# Altium PCB GPS_TRACKER.PcbDoc (part 1 of 2) (continued)
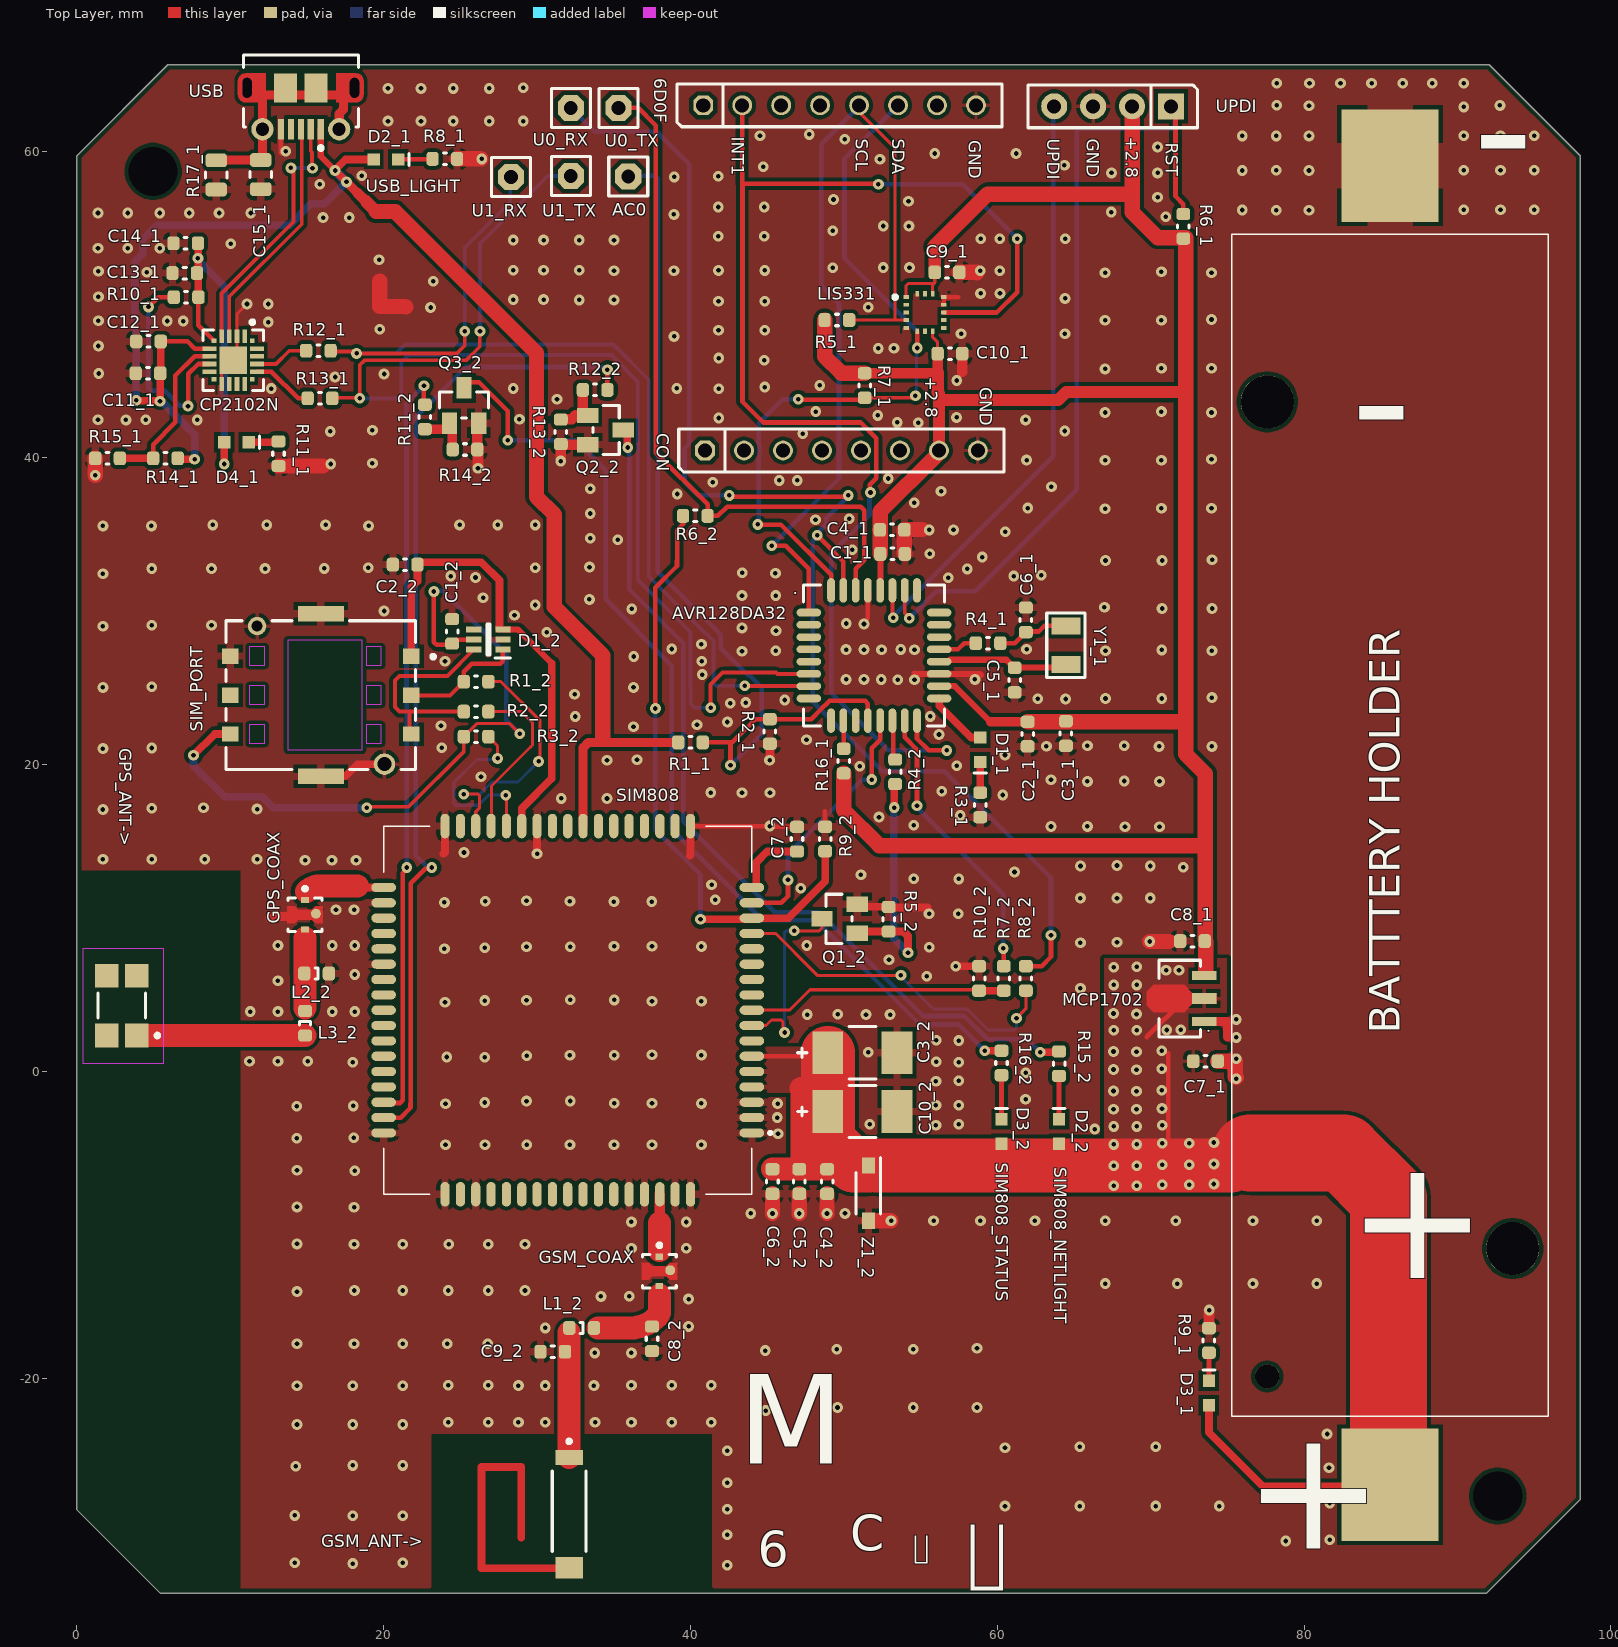
[diagram p0: Top Layer view]
## Part data (continued)
D1_2: "TVS Diode (Uni-directional)", Manufacturer_Name=SEMTECH, Mouser Part Number=947-SMF05C.TCT, Arrow Part Number=SMF05C.TCT, Arrow Price/Stock=https://www.arrow.com/en/products/smf05c.tct/semtech?region=nac, Datasheet Link=https://www.mouser.co.uk/datasheet/2/761/smf05c-1278099.pdf, Height=1.1mm, Manufacturer_Part_Number=SMF05C.TCT, Mouser Price/Stock=https://www.mouser.co.uk/ProductDetail/Semtech/SMF05CTCT?qs=rBWM4%252BvDhIcdGOAFdL4XAA%3D%3D
D2_1: library part DIODE1056, "LED", Forward Current=20mA, Manufacturer 1=Lite-On, Manufacturer Part Number 1=LTST-C193TBKT-5A, Operating Temperature="-20C to +80C", Package=0603, Power=76mW, Reverse Current=10uA, Reverse Voltage=5V, Supplier Part Number 1=160-1827-1-ND, Category=Diode, ComponentLink1Description="SVN Datasheet", ComponentLink1URL=https://chn-vm-apps.microchip.com/mchprepo/parts/Datasheets/LTST-C193TBKT-5A.pdf, ComponentLink2Description="Local Datasheet", ComponentLink2URL=C:\ALTIUM_WORK\00001_MCHP-CDB\Datasheets\LTST-C193TBKT-5A.pdf, ComponentLink3Description="Open Symbol", ComponentLink3URL=C:\ALTIUM_WORK\00001_MCHP-CDB\Library\LibraryRefs\LED_blue.SchLib, ComponentLink4Description="Open Footprint", ComponentLink4URL=C:\ALTIUM_WORK\00001_MCHP-CDB\Library\Footprints\LED_0603_Blue.PcbLib, ComponentLink5Description="Open Footprint 2", ComponentLink6Description="Open Footprint 3", ComponentLink7Description="Open Footprint 4", Description_="DIO LED BLUE 2.8V 20mA 15mcd Clear SMD 0603", Dev Tools Status=Production, MCHP-ID=DIODE1056, Owner="Tad Ahlvers", Populated=YES, Quantity Override=1, Revision=5, Status="MCL Design", Supplier 1=Digi-Key, Symbol=LED_blue, Type="LED Single"
D3_1: library part DIODE1242, "LED TRUE GREEN", Forward Current=5ma, Manufacturer 1=Mouser, Manufacturer Part Number 1=720-LTQ39GQ1S22515, Operating Temperature="-40C to85", Package=0603, Category=Diode, ComponentLink1Description="SVN Datasheet", ComponentLink1URL="https://chn-vm-apps.microchip.com/mchprepo/parts/Datasheets/L(B,T) Q39G.pdf", ComponentLink2Description="Local Datasheet", ComponentLink2URL="C:\ALTIUM_WORK\00001_MCHP-CDB\Datasheets\L(B,T) Q39G.pdf", ComponentLink3Description="Open Symbol", ComponentLink3URL=C:\ALTIUM_WORK\00001_MCHP-CDB\Library\LibraryRefs\LED_green_true.SchLib, ComponentLink4Description="Open Footprint", ComponentLink4URL=C:\ALTIUM_WORK\00001_MCHP-CDB\Library\Footprints\LED_0603_Green.PcbLib, ComponentLink5Description="Open Footprint 2", ComponentLink6Description="Open Footprint 3", ComponentLink7Description="Open Footprint 4", Description_="Standard LEDs - SMD True Green", Dev Tools Status=Design, MCHP-ID=DIODE1242, Owner="Ed Kennedy", Populated=YES, Quantity Override=1, Revision=A, Status="MCL Design", Supplier 1=Mouser, Supplier Part Number 1=720-LTQ39GQ1S22515, Symbol=LED_green_true, Type="LED Single"
GPS_ANT->: library part CMP-04721-000004-1, "RF ANT 1.575GHZ MOLDED SLDR SMD", Manufacturer=Molex, Max Frequency=1607MHz, Power Rating=2W, Temperature="-40°C to +125°C", Temperature Range High=+125°C, Temperature Range Low=-40°C, Automotive=No, Category=Ant, ComponentLink2Description=Datasheet, ComponentLink2URL=https://www.molex.com/pdm_docs/sd/1462350001_sd.pdf, Device Class L1="Integrated Circuits (ICs)", Device Class L2="RF Semiconductors and Devices", Device Class L3="RF Antennas", Digikey Description="RF ANT 1.575GHZ MOLDED SLDR SMD", Gain=1.1dB, Height=4.1mm, Impedance=50Ω, Lead Free=Yes, Manufacturer Part Number=1462350001, Number Of Bands=3, Octopart=https://octopart.com/146235-0001-molex-75198029, Package=1462350001, Return Loss=-8dB, RoHS=TRUE
GPS_COAX GSM_COAX: library part CMP-06171-000005-1, "CONN SWG RCPT STR 50 OHM SMD", Case/Package=SMD/SMT, Frequency=11GHz, Housing Color=Gold, Insulation Resistance=500MR, Max Operating Temperature=85°C, Min Operating Temperature=-40°C, Operating Frequency="0 to 11 GHz", Package Quantity=1, Voltage Rating=250V, Body Material=Copper, Connector Type=Socket, Contact Plating=Gold, Depth=2mm, Fastening Type=Pull, Impedance=50R, Lead Free="Lead Free", Length=2.1mm, Max Frequency=11GHz, Mount="Surface Mount", Orientation=Straight, Packaging="Tape and Reel", Polarity=Standard, RoHS Compliant=No, Series=8030, Termination=Solder
GSM_ANT->: library part CMP-56579-000002-1, "RF ANT CHIP SOLDER SMD", Max Frequency=928MHz, Contact Plating=Tin, Impedance=50R, Mount="Surface Mount", Number of Pins=2, RoHS Compliant=No
L1_2 L2_2: library part IND0008, Manufacturer 1="TOKO America", Manufacturer Part Number 1=LL1608-FSL15NJ, Manufacturer Part Number 2=LL1608-FH15NJ, Operating Temperature="-40C to +100C", Package=0603, Saturation Current=600mA, Supplier Part Number 1=LL1608-FSL15NJ-ND, Test Frequency=100MHz, Category=Inductor, ComponentLink1Description="SVN Datasheet", ComponentLink1URL=https://chn-vm-apps.microchip.com/mchprepo/parts/Datasheets/LL1608-FH.pdf, ComponentLink2Description="Local Datasheet", ComponentLink2URL=C:\ALTIUM_WORK\00001_MCHP-CDB\Datasheets\LL1608-FH.pdf, ComponentLink3Description="Open Symbol", ComponentLink3URL=C:\ALTIUM_WORK\00001_MCHP-CDB\Library\LibraryRefs\Inductor.SchLib, ComponentLink4Description="Open Footprint", ComponentLink4URL=C:\ALTIUM_WORK\00001_MCHP-CDB\Library\Footprints\IND_C_0603.PcbLib, ComponentLink5Description="Open Footprint 2", ComponentLink6Description="Open Footprint 3", ComponentLink7Description="Open Footprint 4", DCR=0.32R, Description_="INDUCTOR 15nH 600mA 5% SMD 0603", Dev Tools Status=Production, Manufacturer 2="TOKO America", MCHP-ID=IND0008, Populated=Yes, Quantity Override=1, Revision=1, Status="MCL Design", Supplier 1=Digi-Key, Supplier 2=Digi-Key, Supplier Part Number 2=TKS3713TR-ND, Symbol=Inductor, Type=Inductor
L3_2: library part IND1285, Manufacturer 1=Murata, Manufacturer Part Number 1=LQM18PN4R7MFRL, Operating Temperature="-40°C to 85°C", Package=0603, RMS Current=620mA, Supplier Part Number 1=490-12065-2-ND, Test Frequency=1MHz, Category=Inductor, ComponentLink1Description="SVN Datasheet", ComponentLink1URL=https://chn-vm-apps.microchip.com/mchprepo/parts/Datasheets/o05e.pdf, ComponentLink2Description="Local Datasheet", ComponentLink2URL=C:\ALTIUM_WORK\00001_MCHP-CDB\Datasheets\o05e.pdf, ComponentLink3Description="Open Symbol", ComponentLink3URL=C:\ALTIUM_WORK\00001_MCHP-CDB\Library\LibraryRefs\Inductor.SchLib, ComponentLink4Description="Open Footprint", ComponentLink4URL=C:\ALTIUM_WORK\00001_MCHP-CDB\Library\Footprints\IND_C_0603.PcbLib, ComponentLink5Description="Open Footprint 2", ComponentLink6Description="Open Footprint 3", ComponentLink7Description="Open Footprint 4", DCR=0.55R, Description_="INDUCTOR 4.7uH 620mA 20% SMD 0603", Dev Tools Status=Production, MCHP-ID=IND1285, Owner="Gabor Bihari", Populated=YES, Quantity Override=1, Revision=2, Status="MCL Design", Supplier 1=Digi-Key, Supplier 2=Digi-Key, Supplier Part Number 2=490-12065-1-ND, Symbol=Inductor, Type=Inductor
LIS331: library part CMP-0234-00069-3, "MEMS motion sensor: Ultra low power high performance 3-axis nano accelerometer, -40 to +85°C, LGA-16 (3x3x1), Tape and Reel", Manufacturer=STMicroelectronics, ComponentLink1Description="Manufacturer URL", ComponentLink1URL=http://www.st.com/, ComponentLink2Description="LIS331DLH Datasheet", ComponentLink2URL=http://www.st.com/internet/com/TECHNICAL_RESOURCES/TECHNICAL_LITERATURE/DATASHEET/CD00213470.pdf, ComponentLink3Description="LIS331DLH Web Page", ComponentLink3URL=http://www.st.com/internet/analog/product/218132.jsp, DatasheetVersion="rev3, Jul-2009", PackageDescription="16-Pin Land Grid Array, 3 x 3 x 1 mm Body, 0.5 mm Pitch", PackageReference=LGA16-3X3X1, PackageVersion=2008, RevisionNote="PCB layout corrected."
MCP1702: library part MIC2541, "LDO", Manufacturer 1=Microchip, Manufacturer Part Number 1=MCP1702T-2802E/MB, Operating Temperature="-40C to +125C", Category=MCHP-Analog, ComponentLink1Description="SVN Datasheet", ComponentLink1URL=https://www.microchip.com/sitesearch/search/Product%20and%20Development%20Tools/MCP1702T-2802E/MB, ComponentLink2Description="Local Datasheet", ComponentLink3Description="Open Symbol", ComponentLink3URL="C:\ALTIUM_WORK\00001_MCHP-CDB\Library\LibraryRefs\MCP170X SOT-89-3_TO-92-3.SchLib", ComponentLink4Description="Open Footprint", ComponentLink4URL=C:\ALTIUM_WORK\00001_MCHP-CDB\Library\Footprints\SOT-89-3.PcbLib, ComponentLink5Description="Open Footprint 2", ComponentLink6Description="Open Footprint 3", ComponentLink7Description="Open Footprint 4", Description_="MCHP ANALOG LDO 2.8V MCP1702T-2802E/MB SOT-89-3", Dev Tools Status=Production, MCHP-ID=MIC2541, Populated=Yes, Quantity Override=1, Revision=0, Status="MCL Design", Supplier 1=Microchip, Supplier Part Number 1=MCP1702T-2802E/MB, Symbol="MCP170X SOT-89-3_TO-92-3", Type=LDO
Q1_2 Q2_2 Q3_2: library part TRA1102, "Transistor MOS", Current=170mA, Drain to Source Voltage=60V, Gate to Source Voltage=20V, Manufacturer 1="Diodes Inc", Manufacturer Part Number 1=2N7002-7-F, Operating Temperature="-55C to +150C", Package=SOT-23-3, Power=370mW, Supplier Part Number 1=2N7002-FDICT-ND, Category=Transistor, ComponentLink1Description="SVN Datasheet", ComponentLink1URL=https://chn-vm-apps.microchip.com/mchprepo/parts/Datasheets/ds11303.pdf, ComponentLink2Description="Local Datasheet", ComponentLink2URL=C:\ALTIUM_WORK\00001_MCHP-CDB\Datasheets\ds11303.pdf, ComponentLink3Description="Open Symbol", ComponentLink3URL="C:\ALTIUM_WORK\00001_MCHP-CDB\Library\LibraryRefs\Transistor MOS-N GSD.SchLib", ComponentLink4Description="Open Footprint", ComponentLink4URL=C:\ALTIUM_WORK\00001_MCHP-CDB\Library\Footprints\SOT-23-3.PcbLib, ComponentLink5Description="Open Footprint 2", ComponentLink6Description="Open Footprint 3", ComponentLink7Description="Open Footprint 4", Description_="TRANS FET N-CH 2N7002-7-F 60V 170mA 370mW SOT-23-3", Dev Tools Status=Production, MCHP-ID=TRA1102, Owner="Adrian M (M91404)", Populated=YES, Quantity Override=1, Revision=0, Status="MCL Design", Supplier 1=Digi-Key, Symbol="Transistor MOS-N GSD", Type=FET
R1_1: library part RES1144, Manufacturer 1=Panasonic, Manufacturer Part Number 1=ERJ-3EKF2203V, Operating Temperature="-55C to +155C", Package=0603, Power=1/10W, Supplier Part Number 1=P220KHCT-ND, Temperature Coefficient=100ppm/C, Tolerance=1%, Voltage=75V, Category=Resistor, ComponentLink1Description="SVN Datasheet", ComponentLink1URL=https://chn-vm-apps.microchip.com/mchprepo/parts/Datasheets/AOA0000CE2.pdf, ComponentLink2Description="Local Datasheet", ComponentLink2URL=C:\ALTIUM_WORK\00001_MCHP-CDB\Datasheets\AOA0000CE2.pdf, ComponentLink3Description="Open Symbol", ComponentLink3URL=C:\ALTIUM_WORK\00001_MCHP-CDB\Library\LibraryRefs\Resistor.SchLib, ComponentLink4Description="Open Footprint", ComponentLink4URL=C:\ALTIUM_WORK\00001_MCHP-CDB\Library\Footprints\RES_C_0603.PcbLib, ComponentLink5Description="Open Footprint 2", ComponentLink6Description="Open Footprint 3", ComponentLink7Description="Open Footprint 4", Composition=TKF, Description_="RES TKF 220k 1% 1/10W SMD 0603", Dev Tools Status=Production, MCHP-ID=RES1144, Owner="Adrian M (M91404)", Populated=Yes, Quantity Override=1, Revision=0, Status="MCL Design", Supplier 1=Digi-Key, Symbol=Resistor, Type="RES SMD"
R1_2 R2_2 R3_2: library part RES1560, Manufacturer 1="Panasonic Electronic Components", Manufacturer Part Number 1=ERJ-3EKF22R0V, Operating Temperature="-55C to +155C", Power=1/10W, Supplier Part Number 1=P22.0HCT-ND, Temperature Coefficient=100ppm/C, Voltage=75V, Category=Resistor, ComponentLink1Description="SVN Datasheet", ComponentLink1URL=https://chn-vm-apps.microchip.com/mchprepo/parts/Datasheets/AOA0000CE2.pdf, ComponentLink2Description="Local Datasheet", ComponentLink2URL=C:\ALTIUM_WORK\00001_MCHP-CDB\Datasheets\AOA0000CE2.pdf, ComponentLink3Description="Open Symbol", ComponentLink3URL=C:\ALTIUM_WORK\00001_MCHP-CDB\Library\LibraryRefs\Resistor.SchLib, ComponentLink4Description="Open Footprint", ComponentLink4URL=C:\ALTIUM_WORK\00001_MCHP-CDB\Library\Footprints\RES_C_0603.PcbLib, ComponentLink5Description="Open Footprint 2", ComponentLink6Description="Open Footprint 3", ComponentLink7Description="Open Footprint 4", Composition=TKF, Description_="RES TKF 22R 1% 1/10W SMD 0603", Dev Tools Status=Production, MCHP-ID=RES1560, Populated=YES, Quantity Override=1, Revision=1, Status="MCL Design", Supplier 1=Digi-Key, Symbol=Resistor, Type="RES SMD"
R2_1: library part RES1184, Manufacturer 1=Panasonic, Manufacturer Part Number 1=ERJ-3GEYJ474V, Operating Temperature="-55C to +155C", Package=0603, Power=1/10W, Supplier Part Number 1=P470KGCT-ND, Temperature Coefficient=200ppm/C, Tolerance=5%, Voltage=75V, Category=Resistor, ComponentLink1Description="SVN Datasheet", ComponentLink1URL=https://chn-vm-apps.microchip.com/mchprepo/parts/Datasheets/AOA0000CE1.pdf, ComponentLink2Description="Local Datasheet", ComponentLink2URL=C:\ALTIUM_WORK\00001_MCHP-CDB\Datasheets\AOA0000CE1.pdf, ComponentLink3Description="Open Symbol", ComponentLink3URL=C:\ALTIUM_WORK\00001_MCHP-CDB\Library\LibraryRefs\Resistor.SchLib, ComponentLink4Description="Open Footprint", ComponentLink4URL=C:\ALTIUM_WORK\00001_MCHP-CDB\Library\Footprints\RES_C_0603.PcbLib, ComponentLink5Description="Open Footprint 2", ComponentLink6Description="Open Footprint 3", ComponentLink7Description="Open Footprint 4", Composition=TKF, Description_="RES TKF 470k 5% 1/10W SMD 0603", Dev Tools Status=Production, MCHP-ID=RES1184, Owner="Adrian T (M91397)", Populated=Yes, Quantity Override=1, Revision=0, Status="MCL Design", Supplier 1=Digi-Key, Symbol=Resistor, Type="RES SMD"
R3_1 R8_1 R9_1 R11_1 R12_1 R13_1 R15_2 R16_2: library part RES0194, Manufacturer 1=ROHM, Manufacturer Part Number 1=MCR03EZPJ221, Operating Temperature="-55C to +155C", Package=0603, Power=1/10W, Supplier Part Number 1=RHM220GCT-ND, Temperature Coefficient=100ppm/C, Tolerance=5%, Voltage=50V, Category=Resistor, ComponentLink1Description="SVN Datasheet", ComponentLink1URL=https://chn-vm-apps.microchip.com/mchprepo/parts/Datasheets/mcr_a.pdf, ComponentLink2Description="Local Datasheet", ComponentLink2URL=C:\ALTIUM_WORK\00001_MCHP-CDB\Datasheets\mcr_a.pdf, ComponentLink3Description="Open Symbol", ComponentLink3URL=C:\ALTIUM_WORK\00001_MCHP-CDB\Library\LibraryRefs\Resistor.SchLib, ComponentLink4Description="Open Footprint", ComponentLink4URL=C:\ALTIUM_WORK\00001_MCHP-CDB\Library\Footprints\RES_C_0603.PcbLib, ComponentLink5Description="Open Footprint 2", ComponentLink6Description="Open Footprint 3", ComponentLink7Description="Open Footprint 4", Composition=TKF, Description_="RES TKF 220R 5% 1/10W SMD 0603", Dev Tools Status=Production, MCHP-ID=RES0194, Populated=Yes, Quantity Override=1, Revision=1, Status="MCL Design", Supplier 1=Digi-Key, Symbol=Resistor, Type="RES SMD"
R4_1 R6_2 R7_2 R8_2 R16_1: library part RES2360, Manufacturer 1="Panasonic Electronic Components", Manufacturer 2=Vishay, Manufacturer Part Number 1=ERJ-3GEY0R00V, Manufacturer Part Number 2=CRCW06030000Z0EB, Package=0603, Power=1/10W, Supplier Part Number 1=P0.0GCT-ND, Category=Resistor, Circuit Type=Isolated, ComponentLink1Description="SVN Datasheet", ComponentLink1URL=https://chn-vm-apps.microchip.com/mchprepo/parts/Datasheets/ERJ-3GEY0R00V.pdf, ComponentLink2Description="Local Datasheet", ComponentLink2URL=C:\ALTIUM_WORK\00001_MCHP-CDB\Datasheets\ERJ-3GEY0R00V.pdf, ComponentLink3Description="Open Symbol", ComponentLink3URL=C:\ALTIUM_WORK\00001_MCHP-CDB\Library\LibraryRefs\Resistor.SchLib, ComponentLink4Description="Open Footprint", ComponentLink4URL=C:\ALTIUM_WORK\00001_MCHP-CDB\Library\Footprints\RES_C_0603.PcbLib, ComponentLink5Description="Open Footprint 2", ComponentLink6Description="Open Footprint 3", ComponentLink7Description="Open Footprint 4", Composition=TKF, Description_="RES TKF 0R 1/10W SMD 0603 AEC-Q200", Dev Tools Status=Production, MCHP-ID=RES2360, Owner="Steve Dziaba", Quantity Override=1, Revision=1, Status="MCL Design", Supplier 1=Digi-Key, Supplier 2=Digi-Key, Supplier Part Number 2=541-2968-1-ND, Symbol=Resistor, Type="RES SMD"
  R4_1 R6_2 R7_2 R8_2: Populated=YES
  R16_1: Populated=DNP
R4_2 R5_1 R6_1 R7_1 R11_2 R12_2: library part RES1178, Manufacturer 1=Panasonic, Manufacturer Part Number 1=ERJ-3GEYJ472V, Operating Temperature="-55C to +155C", Package=0603, Power=1/10W, Supplier Part Number 1=P4.7KGCT-ND, Temperature Coefficient=200ppm/C, Voltage=75V, Category=Resistor, ComponentLink1Description="SVN Datasheet", ComponentLink1URL=https://chn-vm-apps.microchip.com/mchprepo/parts/Datasheets/AOA0000CE1.pdf, ComponentLink2Description="Local Datasheet", ComponentLink2URL=C:\ALTIUM_WORK\00001_MCHP-CDB\Datasheets\AOA0000CE1.pdf, ComponentLink3Description="Open Symbol", ComponentLink3URL=C:\ALTIUM_WORK\00001_MCHP-CDB\Library\LibraryRefs\Resistor.SchLib, ComponentLink4Description="Open Footprint", ComponentLink4URL=C:\ALTIUM_WORK\00001_MCHP-CDB\Library\Footprints\RES_C_0603.PcbLib, ComponentLink5Description="Open Footprint 2", ComponentLink6Description="Open Footprint 3", ComponentLink7Description="Open Footprint 4", Composition=TKF, Description_="RES TKF 4.7k 5% 1/10W SMD 0603", Dev Tools Status=Production, MCHP-ID=RES1178, Owner="Bogdan P (M91398)", Quantity Override=1, Revision=0, Status="MCL Design", Supplier 1=Digi-Key, Symbol=Resistor, Type="RES SMD"
  R4_2 R5_1 R7_1 R11_2 R12_2: Populated=Yes
  R6_1: Populated=DNP
R5_2 R13_2 R14_2: library part RES1183, Manufacturer 1=Panasonic, Manufacturer Part Number 1=ERJ-3EKF4702V, Operating Temperature="-55C to +155C", Package=0603, Power=1/10W, Supplier Part Number 1=P47.0KHCT-ND, Temperature Coefficient=100ppm/C, Voltage=75V, Category=Resistor, ComponentLink1Description="SVN Datasheet", ComponentLink1URL=https://chn-vm-apps.microchip.com/mchprepo/parts/Datasheets/AOA0000CE2.pdf, ComponentLink2Description="Local Datasheet", ComponentLink2URL=C:\ALTIUM_WORK\00001_MCHP-CDB\Datasheets\AOA0000CE2.pdf, ComponentLink3Description="Open Symbol", ComponentLink3URL=C:\ALTIUM_WORK\00001_MCHP-CDB\Library\LibraryRefs\Resistor.SchLib, ComponentLink4Description="Open Footprint", ComponentLink4URL=C:\ALTIUM_WORK\00001_MCHP-CDB\Library\Footprints\RES_C_0603.PcbLib, ComponentLink5Description="Open Footprint 2", ComponentLink6Description="Open Footprint 3", ComponentLink7Description="Open Footprint 4", Composition=TKF, Description_="RES TKF 47k 1% 1/10W SMD 0603", Dev Tools Status=Production, MCHP-ID=RES1183, Owner="Adrian M (M91404)", Populated=YES, Quantity Override=1, Revision=0, Status="MCL Design", Supplier 1=Digi-Key, Symbol=Resistor, Type="RES SMD"
R9_2 R10_2: library part RSMT0752, Manufacturer 1=Yageo, Manufacturer Part Number 1=RC0603FR-075K6L, Operating Temperature="-55C to +155C", Package=0603, Power=1/10W, Supplier Part Number 1=311-5.60KHRCT-ND, Temperature Coefficient=100ppm/C, Voltage=50V, Category=Resistor, ComponentLink1Description="SVN Datasheet", ComponentLink1URL=https://chn-vm-apps.microchip.com/mchprepo/parts/Datasheets/PYu-RC0603_51_RoHS_L_4.pdf, ComponentLink2Description="Local Datasheet", ComponentLink2URL=C:\ALTIUM_WORK\00001_MCHP-CDB\Datasheets\PYu-RC0603_51_RoHS_L_4.pdf, ComponentLink3Description="Open Symbol", ComponentLink3URL=C:\ALTIUM_WORK\00001_MCHP-CDB\Library\LibraryRefs\Resistor.SchLib, ComponentLink4Description="Open Footprint", ComponentLink4URL=C:\ALTIUM_WORK\00001_MCHP-CDB\Library\Footprints\RES_C_0603.PcbLib, ComponentLink5Description="Open Footprint 2", ComponentLink6Description="Open Footprint 3", ComponentLink7Description="Open Footprint 4", Composition=TKF, Description_="RES TKF 5.6k 1% 1/10W SMD 0603", Dev Tools Status=Production, MCHP-ID=RSMT0752, Populated=DNP, Quantity Override=1, Revision=1, Status="MCL Design", Supplier 1=Digi-Key, Symbol=Resistor, Type="RES SMD"
R10_1: library part RES1015, Manufacturer 1="Panasonic - ECG", Manufacturer 2="TE Connectivity", Manufacturer Part Number 1=ERA-3AEB102V, Manufacturer Part Number 2=1614882-3, Operating Temperature="-55C to +155C", Package=0603, Power=1/10W, Supplier Part Number 1=P1.0KDBTR-ND, Temperature Coefficient=25ppm/C, Voltage=75V, Category=Resistor, ComponentLink1Description="SVN Datasheet", ComponentLink1URL=https://chn-vm-apps.microchip.com/mchprepo/parts/Datasheets/AOA0000CE26.pdf, ComponentLink2Description="Local Datasheet", ComponentLink2URL=C:\ALTIUM_WORK\00001_MCHP-CDB\Datasheets\AOA0000CE26.pdf, ComponentLink3Description="Open Symbol", ComponentLink3URL=C:\ALTIUM_WORK\00001_MCHP-CDB\Library\LibraryRefs\Resistor.SchLib, ComponentLink4Description="Open Footprint", ComponentLink4URL=C:\ALTIUM_WORK\00001_MCHP-CDB\Library\Footprints\RES_C_0603.PcbLib, ComponentLink5Description="Open Footprint 2", ComponentLink6Description="Open Footprint 3", ComponentLink7Description="Open Footprint 4", Composition=TF, Description_="RES TF 1k 0.1% 1/10W SMD 0603", Dev Tools Status=Production, MCHP-ID=RES1015, Owner="Tad Ahlvers", Populated=YES, Quantity Override=1, Revision=1, Status="MCL Design", Supplier 1=Digi-Key, Supplier 2=Digi-Key, Supplier Part Number 2=A102332TR-ND, Symbol=Resistor, Type="RES SMD"
R14_1: library part RES2774, Manufacturer 1="Panasonic Electronic Components", Manufacturer Part Number 1=ERA-3AEB2212V, Operating Temperature="-55C to +155C", Package=0603, Power=1/10W, Supplier Part Number 1=P22.1KDBCT-ND, Temperature Coefficient=25ppm/C, Voltage=75V, Category=Resistor, ComponentLink1Description="SVN Datasheet", ComponentLink1URL=https://chn-vm-apps.microchip.com/mchprepo/parts/Datasheets/AOA0000C307.pdf, ComponentLink2Description="Local Datasheet", ComponentLink2URL=C:\ALTIUM_WORK\00001_MCHP-CDB\Datasheets\AOA0000C307.pdf, ComponentLink3Description="Open Symbol", ComponentLink3URL=C:\ALTIUM_WORK\00001_MCHP-CDB\Library\LibraryRefs\Resistor.SchLib, ComponentLink4Description="Open Footprint", ComponentLink4URL=C:\ALTIUM_WORK\00001_MCHP-CDB\Library\Footprints\RES_C_0603.PcbLib, ComponentLink5Description="Open Footprint 2", ComponentLink6Description="Open Footprint 3", ComponentLink7Description="Open Footprint 4", Composition=TF, Description_="RES TF 22.1k 0.1% 1/10W SMD 0603 AEC-Q200", Dev Tools Status=Design, MCHP-ID=RES2774, Owner="Kamatchi Sundaresan", Populated=YES, Quantity Override=1, Revision=A, Status="MCL Design", Supplier 1=Digi-Key, Symbol=Resistor, Type="RES SMD"
R15_1: library part RES1543, Manufacturer 1=Vishay, Manufacturer Part Number 1=CRCW060347K5FKEA, Operating Temperature="-55°C ~ 155°C", Package=0603, Power=1/10W, Supplier Part Number 1=541-47.5KHCT-ND, Temperature Coefficient=±100ppm/°C, Category=Resistor, ComponentLink1Description="SVN Datasheet", ComponentLink1URL=https://chn-vm-apps.microchip.com/mchprepo/parts/Datasheets/dcrcwe3.pdf, ComponentLink2Description="Local Datasheet", ComponentLink2URL=C:\ALTIUM_WORK\00001_MCHP-CDB\Datasheets\dcrcwe3.pdf, ComponentLink3Description="Open Symbol", ComponentLink3URL=C:\ALTIUM_WORK\00001_MCHP-CDB\Library\LibraryRefs\Resistor.SchLib, ComponentLink4Description="Open Footprint", ComponentLink4URL=C:\ALTIUM_WORK\00001_MCHP-CDB\Library\Footprints\RES_C_0603.PcbLib, ComponentLink5Description="Open Footprint 2", ComponentLink6Description="Open Footprint 3", ComponentLink7Description="Open Footprint 4", Composition=TKF, Description_="RES TKF 47.5k 1% 1/10W SMD 0603", Dev Tools Status=Production, MCHP-ID=RES1543, Owner="Sam Charles", Populated=YES, Quantity Override=1, Revision=2, Status="MCL Design", Supplier 1=Digi-Key, Symbol=Resistor, Type="RES SMD"
R17_1: library part RSMT0786, Manufacturer 1=Bourns, Manufacturer Part Number 1=CRT0805-BY-1004ELF, Operating Temperature="-55C to +155C", Package=0805, Power=1/8W, Supplier Part Number 1=CRT0805-BY-1004ELFCT-ND, Temperature Coefficient=25ppm/C, Voltage=100V, Category=Resistor, ComponentLink1Description="SVN Datasheet", ComponentLink1URL=https://chn-vm-apps.microchip.com/mchprepo/parts/Datasheets/crt.pdf, ComponentLink2Description="Local Datasheet", ComponentLink2URL=C:\ALTIUM_WORK\00001_MCHP-CDB\Datasheets\crt.pdf, ComponentLink3Description="Open Symbol", ComponentLink3URL=C:\ALTIUM_WORK\00001_MCHP-CDB\Library\LibraryRefs\Resistor.SchLib, ComponentLink4Description="Open Footprint", ComponentLink4URL=C:\ALTIUM_WORK\00001_MCHP-CDB\Library\Footprints\RES_C_0805.PcbLib, ComponentLink5Description="Open Footprint 2", ComponentLink6Description="Open Footprint 3", ComponentLink7Description="Open Footprint 4", Composition=TF, Description_="RES TF 1M 0.1% 1/8W SMD 0805", Dev Tools Status=Production, MCHP-ID=RSMT0786, Populated=DNP, Quantity Override=1, Revision=1, Status="MCL Design", Supplier 1=Digi-Key, Symbol=Resistor, Type="RES SMD"
SIM808: "Integrated Circuit", Manufacturer_Name=SIMCOM, Datasheet Link=https://cdn-shop.adafruit.com/datasheets/SIM808_Hardware+Design_V1.00.pdf, Height=2.8mm, Manufacturer_Part_Number=GSM808
SIM_PORT: library part CMP-245159-000001-1, "NANO SIM PUSH PULL, 6P, SMT, 1.3", Current Rating=0.5A, Manufacturer=GCT, Temperature="-40°C to +85°C", Temperature Range High=+85°C, Temperature Range Low=-40°C, Voltage Rating=30V, Automotive=No, Category=Conn, ComponentLink2Description=Datasheet, ComponentLink2URL=https://gct.co/files/drawings/sim8051.pdf, Conn Orientation="Right Angle", Contact Material=Gold,Nickel, Device Class L1=Connectors, Device Class L2="Memory Connectors", Device Class L3=unset, Digikey Description="NANO SIM PUSH PULL, 6P, SMT, 1.3", Height=1.5mm, Is Female=yes, Lead Free=Yes, Manufacturer Part Number=SIM8051-6-0-14-01-A, Number of Contacts=6, Octopart=https://octopart.com/sim8051-6-0-14-01-a-gct-99340323, Package=SIM8051-6-0-14-01-A, Pitch=2.54mm, RoHS=TRUE
UPDI: library part CON0066, Manufacturer 1=Samtec, Manufacturer Part Number 1=SSW-104-01-G-S, Supplier Part Number 1=SAM1209-04-ND, Category=Connector, ComponentLink1Description="SVN Datasheet", ComponentLink1URL=https://chn-vm-apps.microchip.com/mchprepo/parts/Datasheets/ssw-1xx-xx-xxx-x-xx-xxx-xx-mkt.pdf, ComponentLink2Description="Local Datasheet", ComponentLink2URL=C:\ALTIUM_WORK\00001_MCHP-CDB\Datasheets\ssw-1xx-xx-xxx-x-xx-xxx-xx-mkt.pdf, ComponentLink3Description="Open Symbol", ComponentLink3URL="C:\ALTIUM_WORK\00001_MCHP-CDB\Library\LibraryRefs\Header 1x4.SchLib", ComponentLink4Description="Open Footprint", ComponentLink4URL=C:\ALTIUM_WORK\00001_MCHP-CDB\Library\Footprints\HDR_F_2.54_1x4_U_TH_V_SAM_SSW-104-01-G-S.PcbLib, ComponentLink5Description="Open Footprint 2", ComponentLink6Description="Open Footprint 3", ComponentLink7Description="Open Footprint 4", Description_="CON HDR-2.54 Female 1x4 Gold TH VERT", Dev Tools Status=Production, MCHP-ID=CON0066, Owner="Randolph Sobrepena", Populated=YES, Quantity Override=1, Revision=1, Status="MCL Design", Supplier 1=Digi-Key, Symbol="Header 1x4", Type="Header 2.54mm"
USB: library part CMP-2000-05827-1, "Micro-USB B Receptacle, Right Angle, Bottom Mount, Surface Mount, with Solder Tabs, -30 to 85 degC, 5-Pin USB, RoHS, Tape and Reel", Manufacturer=Molex, Package Description="5-Leads USB, Micro B, Body 7.5 x 5 mm, Pitch 0.65 mm", Package Reference=MICRO-B, Package Version="Rev. F, 12/2012", Standard Package=1, Voltage - Max=30V, 3D Model=105017-0001.stp, Catalog Drawings=1050170001, Category=Connectors,Interconnects, Circuits=5, Connector Type=USB-microB, Datasheet URL=http://www.molex.com/elqNow/elqRedir.htm?ref=http://www.molex.com/webdocs/datasheets/pdf/en-us/1050170001_IO_CONNECTORS.pdf, Datasheet Version=03/2016, Family=USB,DVI,HDMIConnectors, Featured Product=Micro-USBConnectorsUSBConnectors, Features=Shielded,SolderRetention, Gender=Receptacle, Ingress Protection=-, Manufacturer URL=http://www.molex.com/, Mating Products=WM17145-ND-CABLEMICROUSBBTOSTDA1.0MWM17147-ND-CABLEMICROUSBBTOSTDA2.0MWM17146-ND-CABLEMICROUSBBTOSTDA1.5M, Mounting Technology=SurfaceMount, Mounting Type=BoardCutout,SurfaceMount,RightAngle, Number of Contacts=5, Online Catalog=Molex-MicroUSB, Other Names=WM1399DKR, Package URL=http://www.molex.com/pdm_docs/sd/1050170001_sd.pdf, Packaging=Digi-Reel®, PCN Assembly/Origin=ResinSupplier21/Oct/2015, RoHS Information=1050170001CertofCompliance, Series=-, Specifications=-
Y1_1: library part OSC1250, "Crystal", Load Capacitance=9pF, Manufacturer 1="Microchip Technology", Manufacturer Part Number 1=VMK3-9001-32K7680000, Manufacturer Part Number 2=VMK3-9001-32K7680000TR, Operating Temperature="-40C to +85C", Package=2-Pin, Tolerance=20ppm, Category=Crystal/Oscillator, ComponentLink1Description="SVN Datasheet", ComponentLink1URL=https://chn-vm-apps.microchip.com/mchprepo/parts/Datasheets/VMK3-9001-32K7680000-110919.pdf, ComponentLink2Description="Local Datasheet", ComponentLink2URL=C:\ALTIUM_WORK\00001_MCHP-CDB\Datasheets\VMK3-9001-32K7680000-110919.pdf, ComponentLink3Description="Open Symbol", ComponentLink3URL="C:\ALTIUM_WORK\00001_MCHP-CDB\Library\LibraryRefs\Crystal 2 Pins.SchLib", ComponentLink4Description="Open Footprint", ComponentLink4URL=C:\ALTIUM_WORK\00001_MCHP-CDB\Library\Footprints\CRYSTAL_FX135A_L3.2W1.5H0.9.PcbLib, ComponentLink5Description="Open Footprint 2", ComponentLink6Description="Open Footprint 3", ComponentLink7Description="Open Footprint 4", Description_="MCHP CRYSTAL 32.768kHz 9pF VMK3-9001-32K7680000 SMD L3.2W1.5XH0.9", Dev Tools Status=Production, Manufacturer 2="Microchip Technology", MCHP-ID=OSC1250, Owner="Jesus Aviles", Populated=YES, Quantity Override=1, Revision=2, Status="MCL Design", Supplier 1="Microchip Technology", Supplier 2="Microchip Technology", Supplier Part Number 1=VMK3-9001-32K7680000, Supplier Part Number 2=VMK3-9001-32K7680000TR, Symbol="Crystal 2 Pins", Type=Crystal
Z1_2: "Zener Diode", Manufacturer_Name="Micro Commercial Components (MCC)", Mouser Part Number=833-BZT52C5V1-TP, Arrow Part Number=BZT52C5V1-TP, Arrow Price/Stock=https://www.arrow.com/en/products/bzt52c5v1-tp/micro-commercial-components?region=nac, Datasheet Link=https://componentsearchengine.com/Datasheets/2/BZT52C5V1-TP.pdf, Height=1.35mm, Manufacturer_Part_Number=BZT52C5V1-TP, Mouser Price/Stock=https://www.mouser.co.uk/ProductDetail/Micro-Commercial-Components-MCC/BZT52C5V1-TP?qs=ZNK0BnemlqGS%2FcMHrWMpww%3D%3D

## Free pads (board coordinates)
  round 0 hole 3.2 unplated mask+0.2: 0(4.974,58.685) 0(92.625,-27.675)

## Via types
v1: diameter 0.7, hole 0.3, Top Layer to Bottom Layer, tented both sides, 662 vias

## Nets (pads, with @x,y where several pads share a name; then routed paths per layer and width w, separated by ;. In a path a pad name is that pad's centre, name@x,y a point inside that pad or via, vN(x,y) a via of type N, cw(c..) or ccw(c..) an arc to the next point about the centre after c; other vN are vias at no path point)
+2.8: AVR128DA32.18 AVR128DA32.28 C1_1.2 C2_1.2 C3_1.2 C4_1.2 C8_1.2 C9_1.2 C10_1.2 CON.7 LIS331.1 LIS331.8 LIS331.14 MCP1702.3 R5_1.2 R6_1.2 R7_1.2 R16_1.1 UPDI.2 | length 168.5
  Top Layer w0.2: LIS331.1@54.062,50.481 54.062,51.245 54.18,51.362 55.787,51.362 ; LIS331.8@55.787,48.256 55.787,47.86 56.116,47.531 C10_1.2@56.116,46.794 ; LIS331.14@55.787,50.706 55.787,51.291 55.859,51.362 ; 55.857,51.36 55.922,51.426 C9_1.2@55.922,52.1
  Top Layer w0.4: AVR128DA32.28@52.364,31.372 52.375,31.383 C1_1.2@52.375,33.746 ; AVR128DA32.18@56.214,25.122 57.23,25.122 59.552,22.799
  Top Layer w0.6: 59.552,22.799 C2_1.2@61.975,22.799
  Top Layer w0.7: R7_1.2@51.358,45.525 56.072,45.525 56.116,45.569 C10_1.2@56.116,46.794
  Top Layer w0.8: C9_1.2@55.922,52.1 55.922,53.747 ; 56.116,45.569 56.116,44.281 56.194,44.203 56.194,43.783 ; CON.7@56.194,40.485 56.194,43.783 ; 72.275,44.301 64.493,44.301 63.976,43.783 56.194,43.783
  Top Layer w1: R5_1.2@48.742,48.99 48.742,46.614 49.831,45.525 R7_1.2@51.358,45.525 ; R16_1.1@49.986,19.443 49.986,17.058 52.315,14.729 73.564,14.729 ; C4_1.2@52.342,35.315 52.375,35.281 C1_1.2@52.375,33.746 ; C4_1.2@52.368,35.342 52.368,36.492 56.046,40.17 56.046,40.257 56.194,40.405 CON.7@56.194,40.485 ; 55.922,53.747 59.376,57.2 68.789,57.2 ; C2_1.2@61.975,22.799 72.251,22.799 72.275,22.775 ; UPDI.2@68.789,62.922 68.789,57.2 ; C8_1.2@73.564,8.55 73.564,14.729 ; MCP1702.3@73.589,6.457 C8_1.2@73.589,8.477 ; 68.789,57.2 68.789,56.024 70.449,54.364 72.275,54.364 72.275,44.301 72.275,22.775 ; 72.275,22.775 72.275,20.701 73.564,19.412 73.564,14.729
+3.3: C13_1.2 C14_1.2 CP2102N.6 D4_1.1 R10_1.2 | length 21.9
  Top Layer w0.3: R10_1.2@7.921,50.479 7.921,48.644 CP2102N.6@8.938,47.626
  Top Layer w0.5: C14_1.2@7.892,53.722 7.921,53.693 7.921,52.875 7.921,52.051 R10_1.2@7.921,50.479 ; v1@9.611,39.603 v1(9.61,39.604) 9.613,39.607 D4_1.1@9.613,41.018
  Bottom Layer w0.5: v1@7.921,52.875 9.61,51.186 v1(9.61,39.604)
  other v1: 7.892,53.013
+5: C11_1.2 C12_1.2 CP2102N.7 D2_1.1 R1_1.2 R14_1.2 SIM808.25 USB.1 | length 104.1
  Top Layer w0.3: C12_1.2@5.468,47.594 7.214,47.594 7.681,47.126 CP2102N.7@8.638,47.126
  Top Layer w0.4: USB.1@15.9,61.425 15.9,59.666 16.812,58.754 v1(16.832,58.734)
  Top Layer w0.5: v1(3.868,43.765) 3.899,43.734 5.387,43.734 v1(5.418,43.704) ; v1@5.435,43.721 C11_1.2@5.435,45.52 5.468,45.554 C12_1.2@5.468,47.594 ; R14_1.2@6.574,39.978 6.643,39.909 v1(7.676,39.909) ; v1@16.812,58.754 17.516,59.459 D2_1.1@19.35,59.459 ; v1(16.832,58.734) v1(17.575,57.991) v1@17.698,57.868
  Top Layer w0.6: v1@17.698,57.868 18.315,57.251 ; SIM808.25@33,16 33,21.104 33.351,21.455 34.603,21.455 ; 34.286,21.772 34.603,21.455 ; R1_1.2@39.2,21.455 34.603,21.455
  Top Layer w0.7: 18.315,57.251 18.841,56.725
  Top Layer w0.8: 18.841,56.725 19.499,56.067
  Top Layer w1: 19.499,56.067 20.751,56.067 29.967,46.851 29.967,37.47 31.126,36.311 31.126,30.286 34.286,27.126 34.286,21.772
  Bottom Layer w0.5: v1(3.868,43.765) 3.868,48.256 3.768,48.356 3.768,52.793 4.293,53.318 4.293,54.25 5.213,55.17 13.865,55.17 15.256,56.561 16.145,56.561 v1(17.575,57.991) ; v1(5.418,43.704) 5.472,43.704 5.572,43.604 5.613,43.604 7.044,42.173 7.044,42.146 7.676,41.514 v1(7.676,39.909)
  Bottom Layer w0.6: v1(16.832,58.734) v1(17.575,57.991)
ACCEL_INT1: 6D0F.2 AVR128DA32.16 LIS331.11 | length 87.6
  Top Layer w0.3: 43.372,57.834 6D0F.2@43.372,62.989 ; 43.372,57.864 52.236,57.864 v1(52.252,57.847) ; 43.394,57.834 43.394,43.666 44.749,42.311 51.087,42.311 52.119,41.279 52.119,38.93 52.113,38.925 52.113,38.687 51.68,38.253 51.68,37.803 v1(51.733,37.75) ; AVR128DA32.16@54.764,22.872 54.764,21.7 55.528,20.936 v1(56.7,20.936) ; LIS331.11@56.512,49.481 59.973,49.481 61.3,50.808 v1(61.3,54.295)
  Bottom Layer w0.3: v1(51.733,37.75) 51.67,37.687 51.67,36.271 49.177,33.778 49.177,24.676 52.902,20.951 v1@56.685,20.951 ; v1(52.252,57.847) 57.747,57.847 v1(61.3,54.295)
AVR_AC0_AINP0: AC0.1 AVR128DA32.12 R1_1.1 R2_1.1 | length 59.1
  Top Layer w0.3: R1_1.1@40.8,21.455 42.608,21.455 ; v1(42.608,19.96) 42.608,21.455 ; AVR128DA32.12@51.564,22.872 51.564,23.987 51.388,24.163 49.059,24.163 48.917,24.022 48.915,24.022 48.564,23.67 48.564,23.668 47.871,22.976 46.283,22.976 46.279,22.972 R2_1.1@45.175,22.972 44.238,22.972 42.721,21.455 42.608,21.455
  Bottom Layer w0.3: AC0.1@35.393,58.391 37.694,58.391 37.87,58.216 37.87,32.587 41.967,28.491 41.967,28.267 41.975,28.258 41.975,27.604 43.731,25.848 43.82,25.848 44.637,25.032 44.637,21.988 v1(42.608,19.96)
AVR_RST: AVR128DA32.26 R6_1.1 UPDI.1 | length 55
  Top Layer w0.25: AVR128DA32.26@53.964,31.372 53.964,29.882 54.269,29.577 v1(54.269,29.55)
  Top Layer w0.3: UPDI.1@71.329,62.922 71.615,62.635 71.615,57.05 72.125,56.54 R6_1.1@72.125,55.895
  Bottom Layer w0.3: v1(54.269,29.55) 56.033,31.314 58.559,31.314 65.174,37.929 65.174,61.287 65.35,61.462 71.403,61.462 71.578,61.638 71.578,62.672 UPDI.1@71.329,62.922
AVR_TWI0_SCL: 6D0F.5 AVR128DA32.1 LIS331.4 R5_1.1 | length 56.4
  Top Layer w0.2: R5_1.1@50.342,48.99 51.551,48.99 53.322,48.99 ; 6D0F.5@50.907,62.922 50.907,62.625 53.322,60.21 53.322,48.99 ; LIS331.4@54.062,48.981 54.053,48.99 53.322,48.99
  Top Layer w0.3: v1(45.299,34.275) 46.211,34.275 47.714,32.772 AVR128DA32.1@47.714,29.922
  Bottom Layer w0.3: v1(45.299,34.275) 49.684,38.66 49.684,50.063 48.529,51.218 48.529,60.441 6D0F.5@50.908,62.819
AVR_TWI0_SDA: 6D0F.6 AVR128DA32.32 LIS331.6 R7_1.1 | length 48.1
  Top Layer w0.2: R7_1.1@51.481,43.924 54.5,43.924 v1@54.608,44.033
  Top Layer w0.3: v1(44.391,35.667) 44.42,35.638 45.903,35.638 49.164,32.378 AVR128DA32.32@49.164,31.372 ; v1(47.027,43.825) 47.051,43.801 51.234,43.801 R7_1.1@51.358,43.925 ; v1(54.787,47.169) LIS331.6@54.787,48.256
  Bottom Layer w0.2: v1(54.661,44.057) 54.724,44.121 54.724,47.106 v1(54.787,47.169)
  Bottom Layer w0.3: v1@44.451,35.635 44.451,40.031 44.491,40.071 44.491,40.898 44.451,40.938 44.451,42.259 46.017,43.825 v1(47.027,43.825) ; 6D0F.6@53.532,62.989 50.041,59.498 50.041,53.011 54.787,48.265 v1(54.787,47.169)
AVR_UPDI: AVR128DA32.27 UPDI.4 | length 39.6
  Top Layer w0.25: v1@53.076,29.478 53.164,29.566 AVR128DA32.27@53.164,31.372
  Bottom Layer w0.3: v1(53.224,29.577) 53.224,29.67 63.656,40.102 63.656,62.868 UPDI.4@63.709,62.922
AVR_USART0_RX: AVR128DA32.31 R8_2.1 U0_RX.1 | length 87.5
  Top Layer w0.3: U0_RX.1@32.042,62.43 U0_RX.1@32.294,62.681 ; v1@42.546,37.479 49.915,37.479 49.918,37.481 50.201,37.481 v1@50.281,37.562 ; v1(48.259,34.954) 49.964,33.249 AVR128DA32.31@49.964,31.372 ; R8_2.1@61.863,6.871 62.894,6.871 63.501,7.477 v1(63.501,8.879)
  Bottom Layer w0.3: U0_RX.1@32.2,62.816 33.742,61.274 37.797,61.274 39.922,59.149 39.922,40.919 39.61,40.607 39.61,38.415 40.467,37.558 v1(42.529,37.558) ; v1(50.277,37.558) 50.277,37.497 48.852,36.072 48.852,35.68 48.458,35.286 48.458,35.261 48.259,35.062 48.259,34.893 47.972,34.605 47.972,24.113 52.516,19.569 56.552,19.569 63.501,12.621 v1(63.501,8.879)
AVR_USART0_TX: AVR128DA32.30 R6_2.1 U0_TX.1 | length 45.8
  Top Layer w0.3: U0_TX.1@35.302,62.816 36.59,62.816 37.738,61.668 37.738,40.345 41.114,36.97 R6_2.1@41.114,36.21 ; R6_2.1@41.114,36.221 41.78,36.221 42.385,36.826 51.104,36.826 51.34,36.591 51.34,33.34 50.764,32.764 AVR128DA32.30@50.764,31.372
AVR_USART1_RX: AVR128DA32.7 R12_1.1 U1_RX.1 | length 69.4
  Top Layer w0.25: R12_1.1@16.546,46.987 16.598,46.936 18.111,46.936 v1(18.234,46.813) 24.764,46.813 25.287,47.335 25.287,48.253 v1(25.289,48.256) ; v1(43.53,25.148) 43.543,25.135 47.701,25.135 AVR128DA32.7@47.714,25.122
  Bottom Layer w0.25: v1(18.234,46.813) 20.806,46.813 21.392,47.399 34.985,47.399 37.284,45.101 37.284,32.261 40.891,28.653 40.909,28.653 41.5,28.062 41.5,25.294 41.647,25.148 v1(43.53,25.148) ; v1(25.289,48.256) 25.289,53.722 28.253,56.686 28.253,58.272 U1_RX.1@28.3,58.318
AVR_USART1_TX: AVR128DA32.6 R13_1.1 U1_TX.1 | length 80.7
  Top Layer w0.25: R13_1.1@16.647,43.888 16.686,43.927 v1@18.411,43.927 ; v1(18.444,43.884) 18.444,46.068 18.739,46.363 25.372,46.363 26.262,47.252 v1@26.262,48.239 ; U1_TX.1@31.827,58 U1_TX.1@32.2,58.374 ; v1(41.314,23.715) 41.314,25.235 42.092,26.013 45.58,26.013 45.671,25.922 AVR128DA32.6@47.714,25.922
  Bottom Layer w0.25: v1(18.444,43.884) 20.999,43.884 21.146,44.031 21.146,46.224 21.622,46.7 34.841,46.7 36.557,44.984 36.557,40.977 36.577,40.957 36.577,40.398 36.557,40.378 36.557,32.074 39.995,28.637 39.995,25.035 40.014,25.015 40.014,23.956 40.255,23.715 v1(41.314,23.715) ; v1@26.285,48.262 26.285,53.965 30.693,58.374 U1_TX.1@32.2,58.374
  other v1: 26.279,48.256
AVR_XTAL32K1: AVR128DA32.20 C5_1.2 Y1_1.1 | length 8.7
  Top Layer w0.3: Y1_1.1@64.929,26.176 Y1_1.1@64.98,26.125
  Top Layer w0.4: AVR128DA32.20@56.214,26.722 56.791,26.722 56.914,26.845 60.598,26.845 60.883,26.56 60.883,26.522 60.994,26.411 61.083,26.322 C5_1.2@61.133,26.322 ; C5_1.2@61.153,26.342 64.267,26.342 Y1_1.1@64.475,26.55